# Altium PCB hv_controller.PcbDoc (part 1 of 3)
Units mil, origin at the board's own origin, x right, y up, seen from the top; angles counter-clockwise.
Board outline 9380 x 6000 mil, 2 copper layers (Top Layer, Bottom Layer); 271 components, 136 nets, 744 pads, 173 vias.
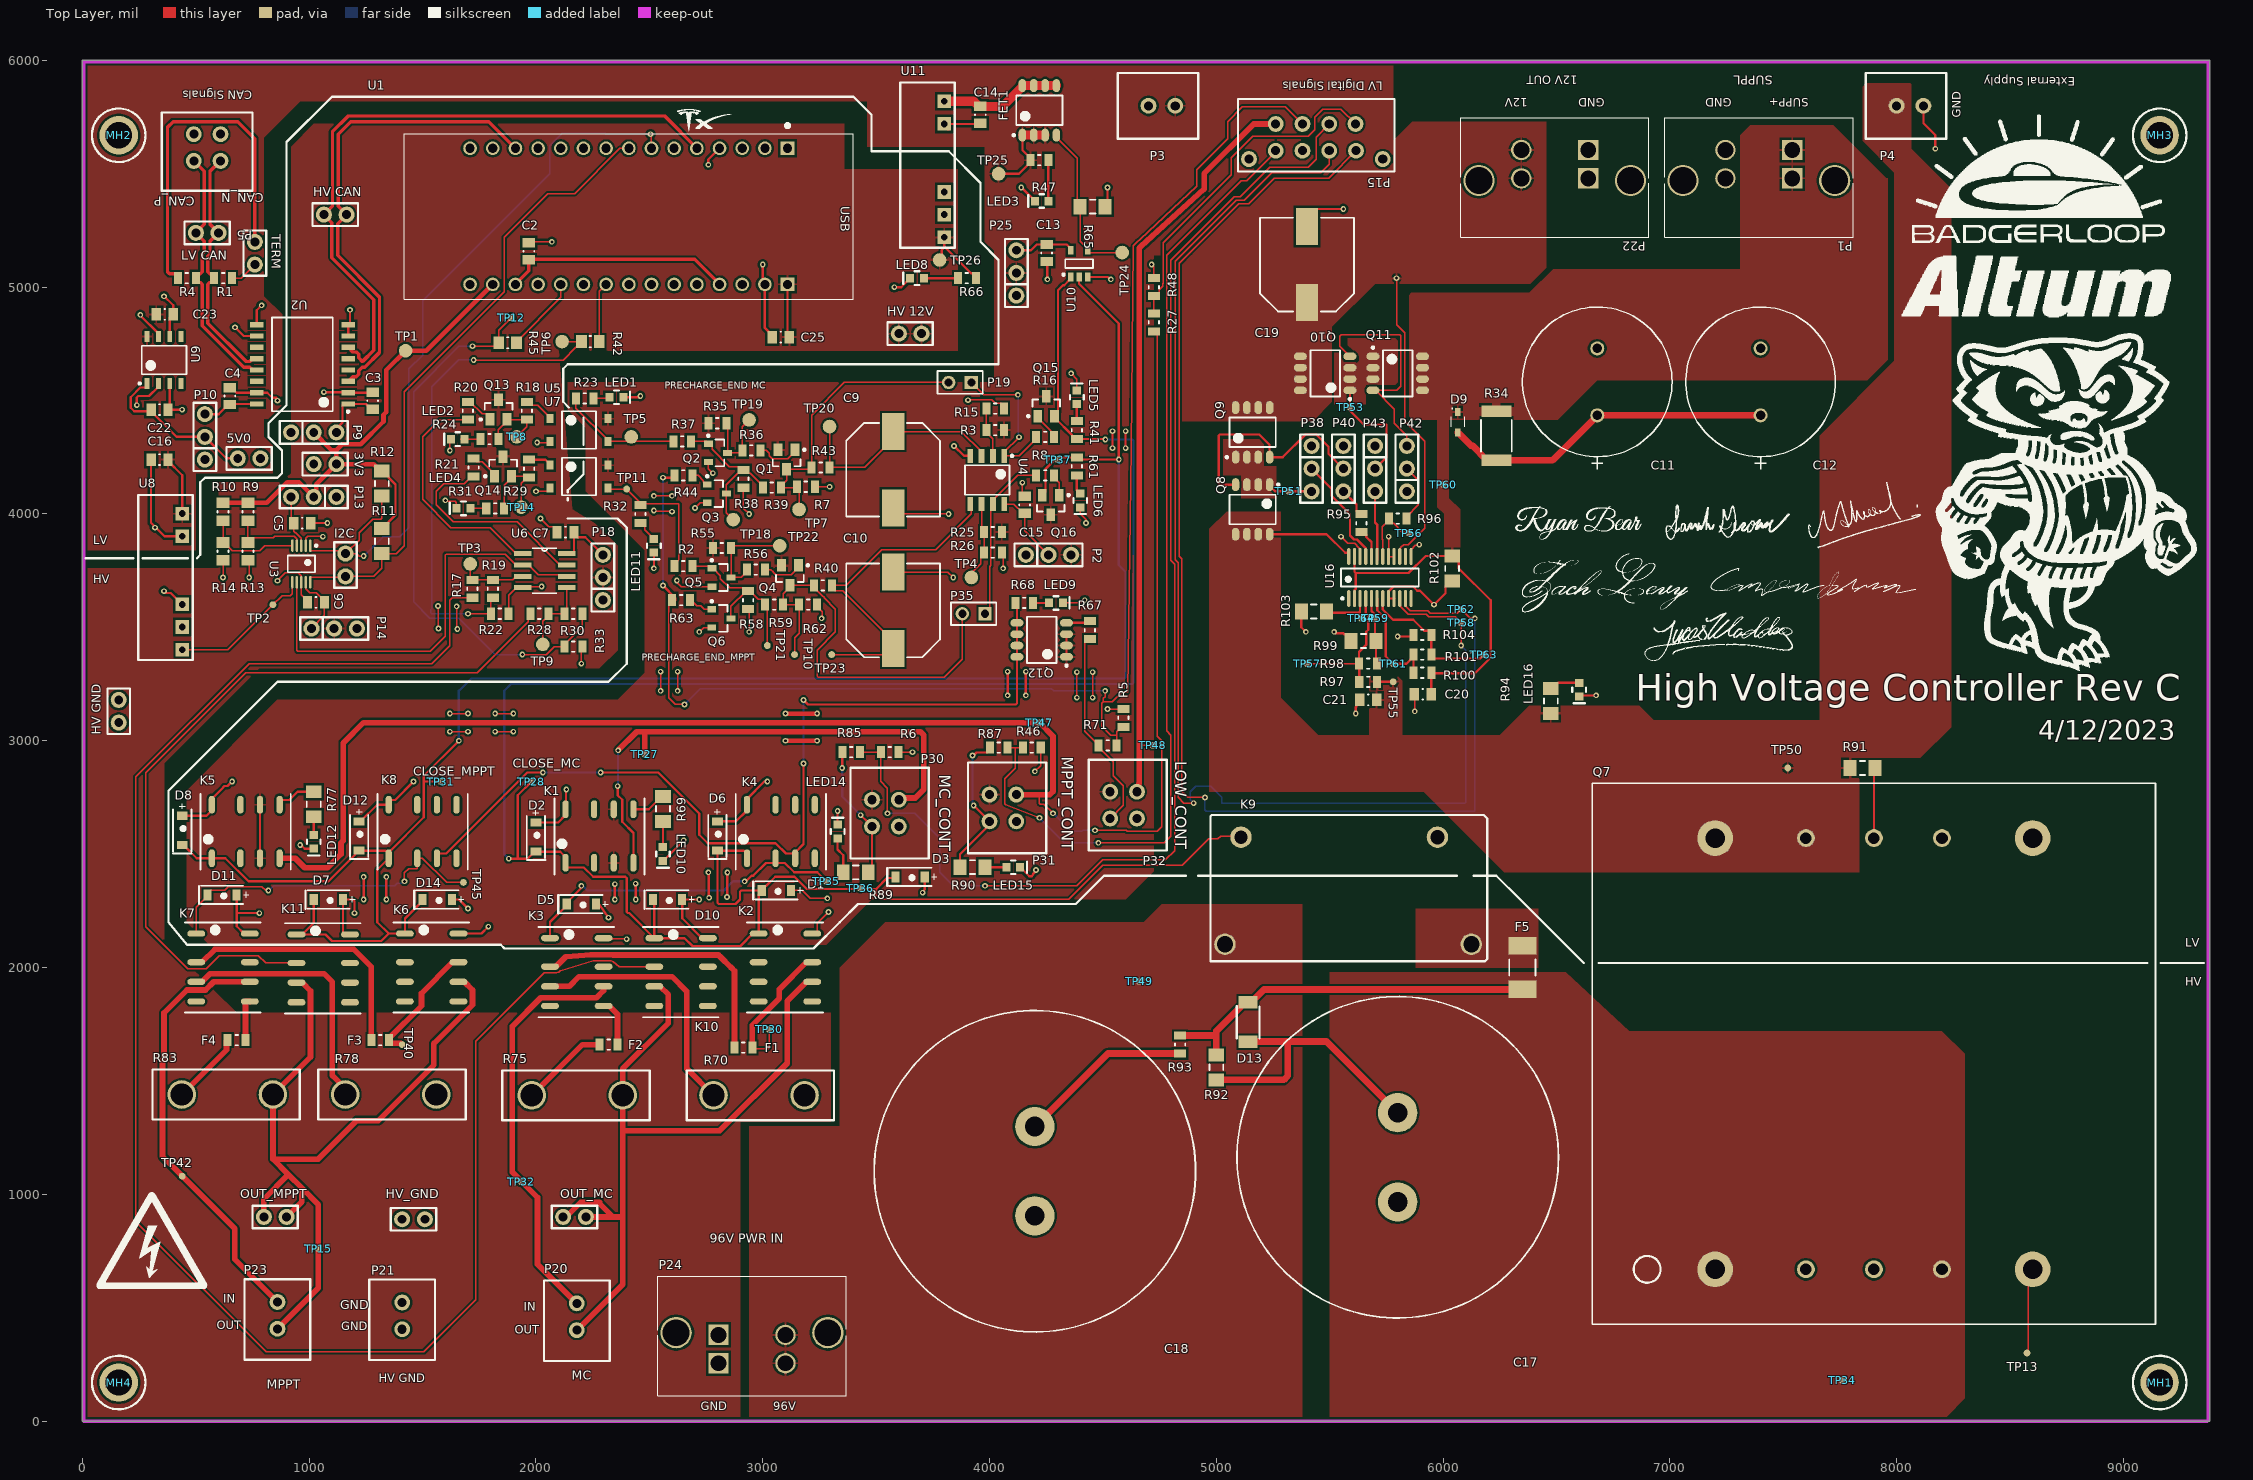
[diagram p0: Top Layer view]
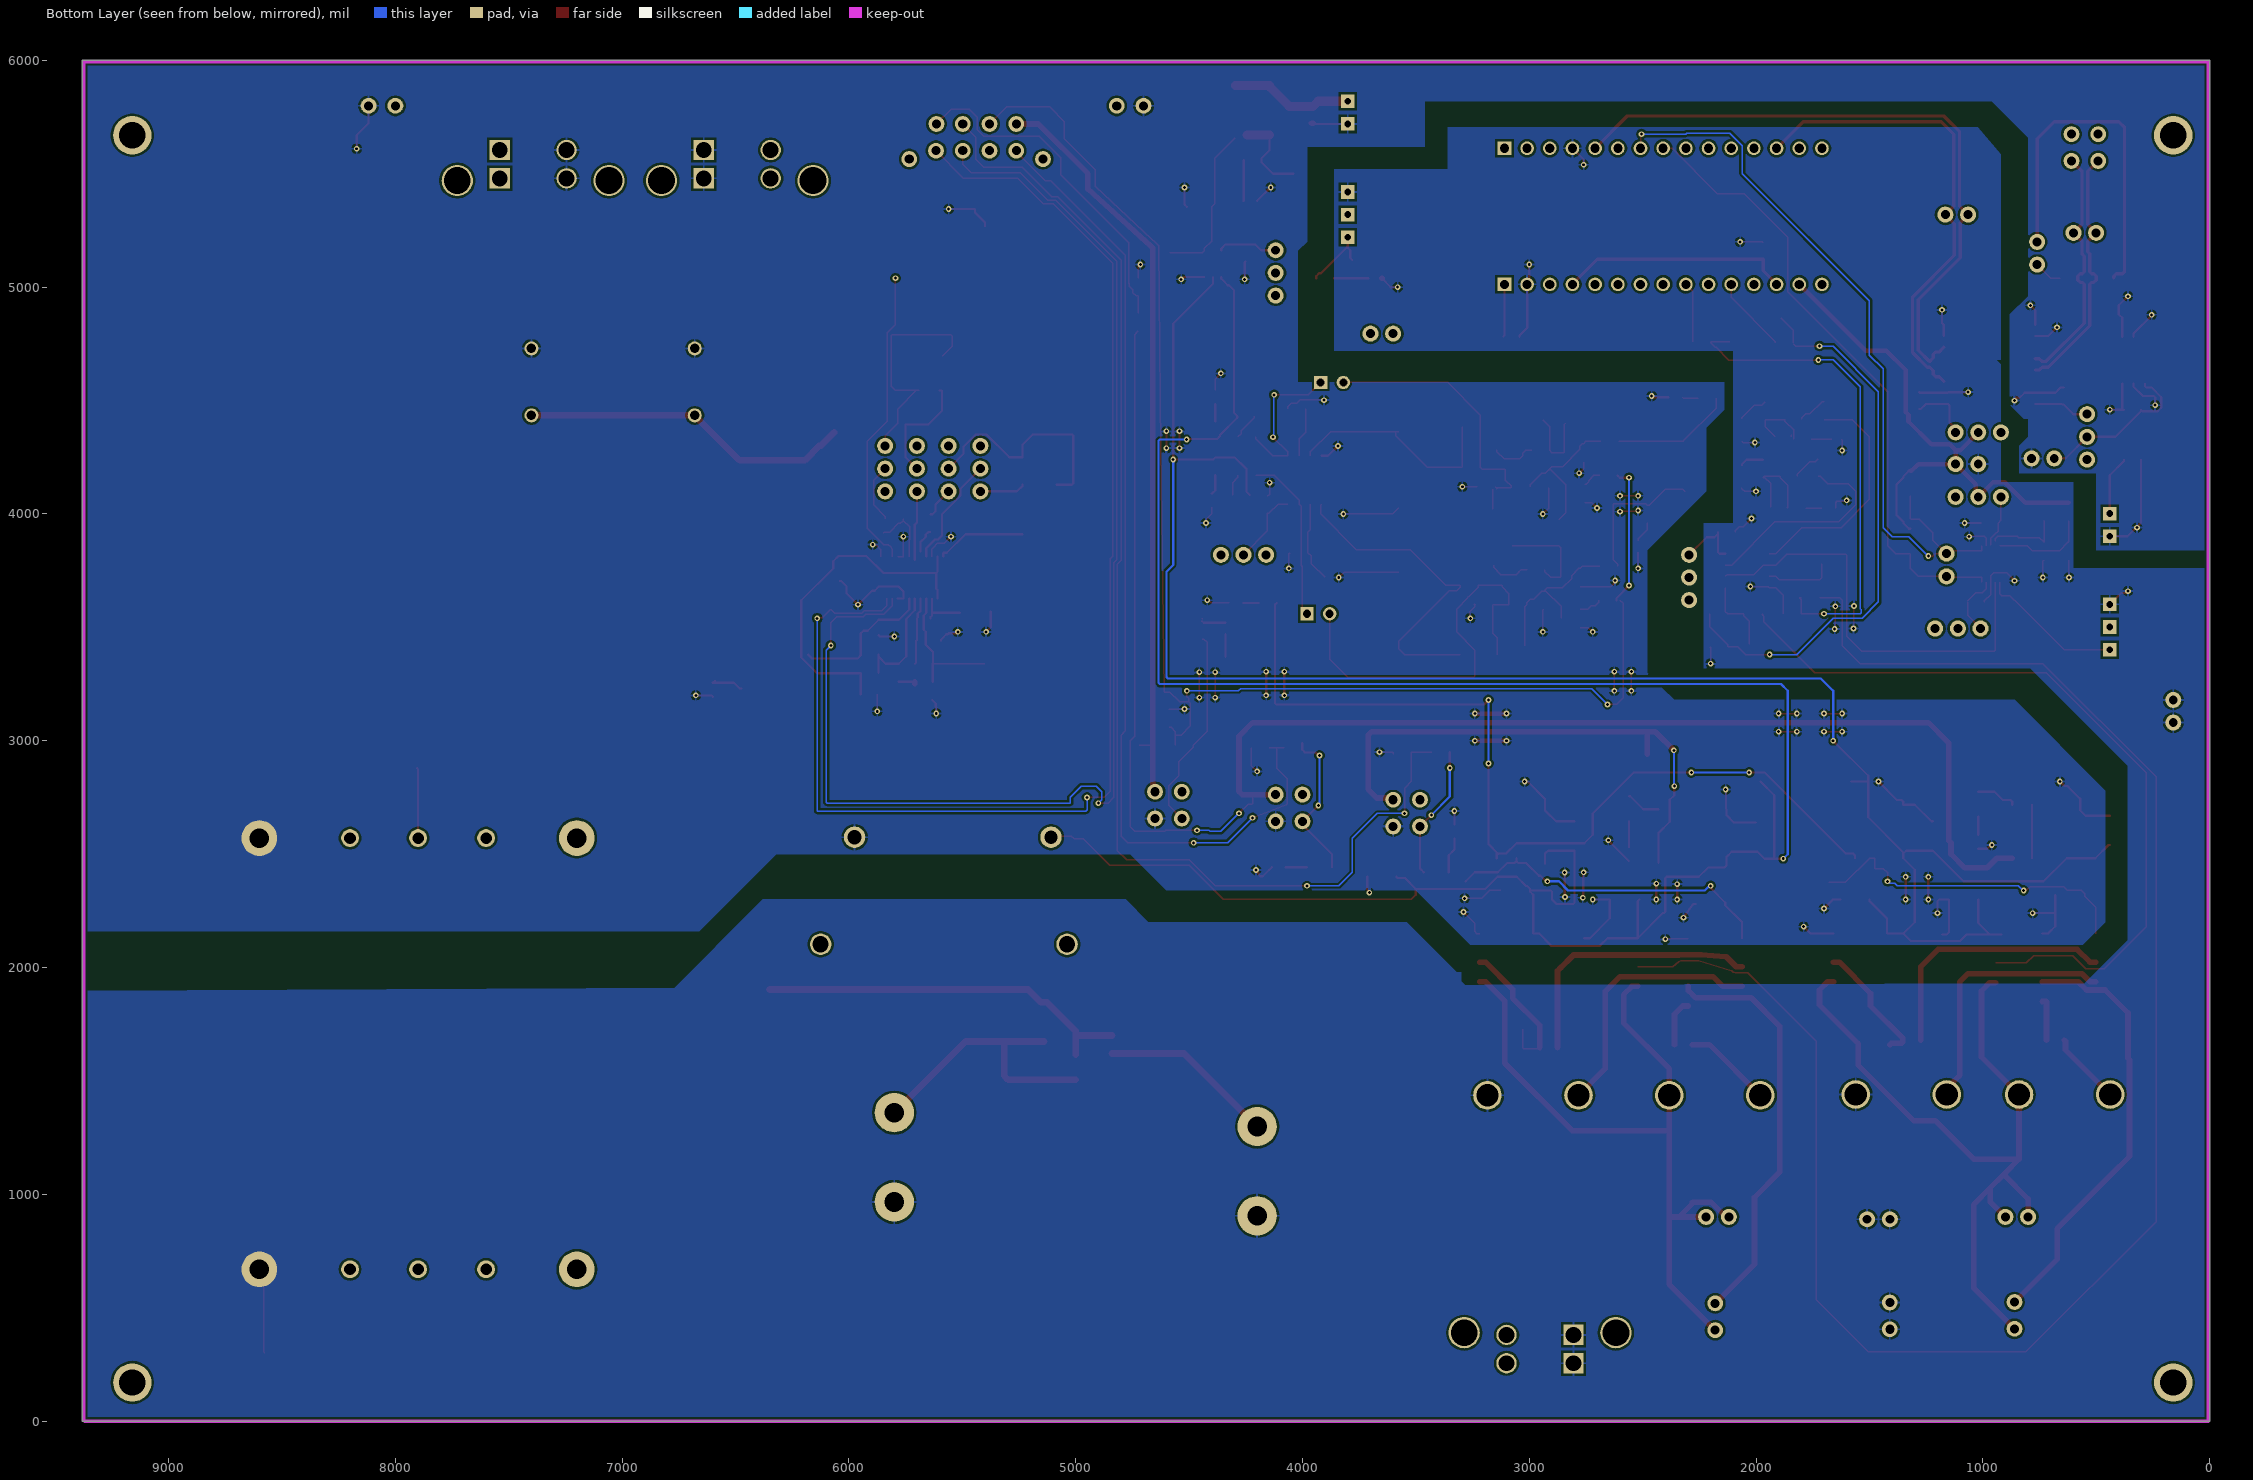
[diagram p1: Bottom Layer view, seen from below]
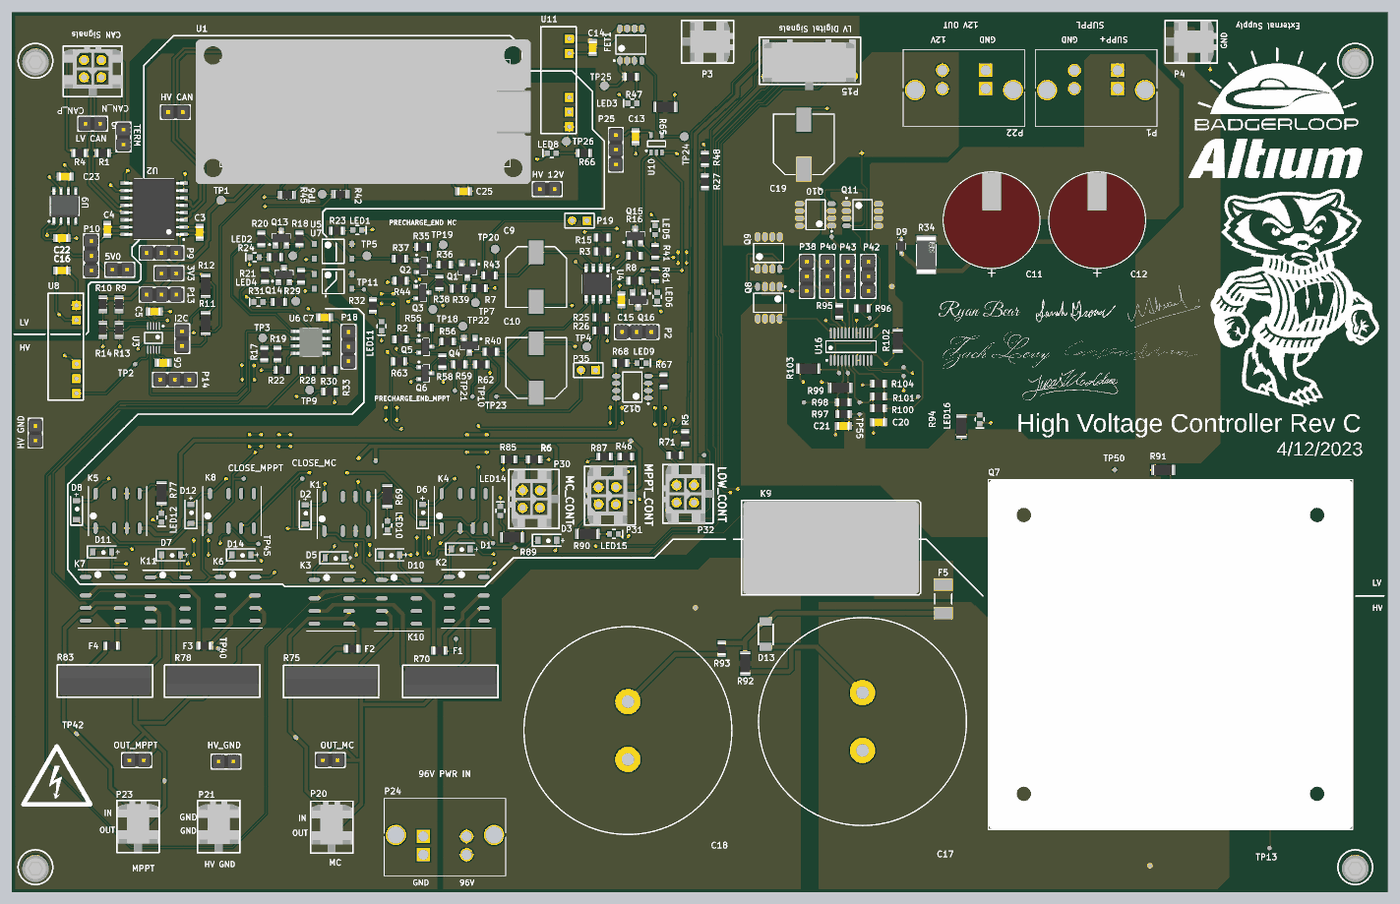
[diagram p4: 3D render of the assembled board from above, using the file's embedded part models]

## Layer stack, top to bottom
Top Solder: solder mask 0.4, Solder Resist, Dk 3.5
Top Layer: signal copper 1.4
Dielectric 1: dielectric 12.6, FR-4, Dk 4.8
Bottom Layer: signal copper 1.4
Bottom Solder: solder mask 0.4, Solder Resist, Dk 3.5

## Board outline
0,0 9380,0 9380,6000 0,6000

## Design rules (kind name [scope] priority, off if disabled: settings)
Clearance [All] p1: gap=10 ignorepadtopadclearanceinfootprint=FALSE except(0: Arc-Hole Track-Hole SMDPad-Hole THPad-Hole Via-Hole Fill-Hole Poly-Hole Region-Hole Text-Hole; 7.5: SMDPad-SMDPad)
DiffPairsRouting [All] p1: maxlimit=10 minlimit=10 mostfreqgap=10 toplayer_minwidth=15 toplayer_maxwidth=15 toplayer_prefwidth=15 bottomlayer_minwidth=15 bottomlayer_maxwidth=15 bottomlayer_prefwidth=15 maxuncoupledlength=500
Height [All] p1: minheight=0 maxheight=2000 prefheight=500
Height Height_1 [All] p2: minheight=0 maxheight=1000 prefheight=500
HoleSize [All] p1: absolutevalues=TRUE maxlimit=150 minlimit=1 maxpercent=80.000 minpercent=20.000
PolygonConnect [All] p1: connectstyle=Relief reliefconductorwidth=10 reliefentries=4 polygonreliefangle="90 Angle" airgapwidth=10
RoomDefinition main_power_switch [InComponentClass('main_power_switch')] p1: confinementstyle=ConfineIn formatcopy=TRUE lockcomponents=FALSE outline 3340,3100 3340,2232.35 4940,2232.35 4940,3100
RoomDefinition motor_controller_relays [InComponentClass('motor_controller_relays')] p2: confinementstyle=ConfineIn formatcopy=TRUE lockcomponents=FALSE outline 3381.56,-40 3381.56,3028.88 1776.56,3028.88 1776.56,-40
RoomDefinition digital [InComponentClass('digital') vs False] p3: confinementstyle=ConfineIn formatcopy=TRUE lockcomponents=FALSE outline 220,5980 220,3260 1394.69,3260 1394.69,4474.88 1517.58,4614.71 3550,4614.71 3550,5980
RoomDefinition powerpath_controller [InComponentClass('powerpath_controller')] p4: confinementstyle=ConfineIn formatcopy=TRUE lockcomponents=FALSE outline 8275.89,2740 8275.89,5980 4680,5980 4680,2740
RoomDefinition dc_dc_converter [InComponentClass('dc_dc_converter')] p5: confinementstyle=ConfineIn formatcopy=TRUE lockcomponents=FALSE outline 2400,-20 9240,-20 9240,2980 2400,2980
RoomDefinition "12V dc-dc converter" [InComponentClass('12V dc-dc converter')] p6: confinementstyle=ConfineIn formatcopy=TRUE lockcomponents=FALSE outline 4940,4700 3570.51,4700 3570.51,5973 4940,5973
RoomDefinition latch [InComponentClass('latch') vs False] p7: confinementstyle=ConfineIn formatcopy=TRUE lockcomponents=FALSE outline 4525.01,3240 4525.01,4660 2519.37,4660 2519.37,3240
RoomDefinition mppt_relays [InComponentClass('mppt_relays')] p8: confinementstyle=ConfineIn formatcopy=TRUE lockcomponents=FALSE outline 1765,20 1765,2855 125,2855 125,20
RoomDefinition connectors [InComponentClass('connectors')] p9: confinementstyle=ConfineIn formatcopy=TRUE lockcomponents=FALSE outline 5872.51,5380 5872.51,5960 4952.51,5960 4952.51,5380
RoomDefinition inverter [InComponentClass('inverter')] p10: confinementstyle=ConfineIn formatcopy=TRUE lockcomponents=FALSE outline 4507.93,3727.82 4057.93,3727.82 4057.93,3272.82 4507.93,3272.82
RoomDefinition voltage_sense [InComponentClass('voltage_sense')] p11: confinementstyle=ConfineIn formatcopy=TRUE lockcomponents=FALSE outline 1500,4490.76 1500,3295 2470,3295 2470,4600 1585.25,4600
RoutingVias [All] p1: holewidth=13 width=25 viastyle="Through Hole" minholewidth=13 minwidth=25 maxholewidth=28 maxwidth=50
SilkToSilkClearance [All] p1 off: silktosilkclearance=10
SilkToSolderMaskClearance [IsPad] p1 off: minsilkscreentomaskgap=10 clearancetoexposedcopper=TRUE
SolderMaskExpansion [All] p1: expansion=4 istentingtop=FALSE
Width [All] p1: maxlimit=100 minlimit=6 preferedwidth=6 bottomlayer_maxwidth=10 minimp=50.000000 maximp=50.000000 favimp=50.000000
25 further rules are at their usual default settings.

## Classes and differential pairs
component class powerpath_controller: C11 C12 C19 C20 C21 D9 P1 P4 P22 P38 P40 P42 P43 Q8 Q9 Q10 Q11 R34 R95 R96 R97 R98 R99 R100 R101 R102 R103 R104 TP51 TP53 TP55 TP56 TP57 TP58 TP59 TP60 TP61 TP62 TP63 TP64 U16
component class mppt_relays: D7 D8 D11 D12 D14 F3 F4 HV_GND K5 K6 K7 K8 K11 LED12 OUT_MPPT P21 P23 R77 R78 R83 TP31 TP37 TP40 TP42 TP45
component class motor_controller_relays: D1 D2 D5 D6 D10 F1 F2 K1 K2 K3 K4 K10 LED10 OUT_MC P20 R69 R70 R75 TP27 TP28 TP30 TP32 TP35 TP36
component class main_power_switch: LED14 LED15 P30 P31 P32 R5 R6 R46 R71 R85 R87 R89 R90 TP47 TP48
component class dc_dc_converter: C17 C18 D3 D13 F5 K9 LED16 P24 Q7 R91 R92 R93 R94 TP34 TP49 TP50
component class digital: 3V3 5V0 C2 C3 C4 C5 C6 C16 C22 C23 C25 "HV CAN" I2C "LV CAN" P5 P9 P10 P13 P14 R1 R4 R9 R10 R11 R12 R13 R14 R42 R45 TERM TP1 TP2 TP6 TP12 U1 U2 U3 U8 U9
component class inverter: LED9 Q12 R67 R68
component class "12V dc-dc converter": C13 C14 FET1 "HV 12V" "HV GND" LED3 LED8 P3 P25 R47 R65 R66 TP24 TP25 TP26 U10 U11
component class latch: C9 C10 C15 LED5 LED6 P2 P19 P35 Q1 Q2 Q3 Q4 Q5 Q6 Q15 Q16 R2 R3 R7 R8 R15 R16 R25 R26 R35 R36 R37 R38 R39 R40 R41 R43 R44 R55 R56 R58 R59 R61 R62 R63 TP4 TP7 TP10 TP18 TP19 TP20 TP21 TP22 TP23 U4
component class voltage_sense: C7 LED1 LED2 LED4 LED11 P18 Q13 Q14 R17 R18 R19 R20 R21 R22 R23 R24 R28 R29 R30 R31 R32 R33 TP3 TP5 TP8 TP9 TP11 TP13 TP14 TP15 U5 U6 U7
component class connectors: MH1 MH2 MH3 MH4 P15 R27 R48
differential pair COMM: +COMM_P -COMM_N
differential pair CAN: +CAN_P -CAN_N

## Components (designator, comment, footprint, x,y, rotation, side; value= is the part's Value field where it differs from the comment)
3V3 "Header 2" "Pin Header 1x2 TH Pitch 2.54mm" 1020,4220 r0 top
5V0 "Header 2" "Pin Header 1x2 TH Pitch 2.54mm" 785,4245 r180 top
C2 "GCM21BR71A106KE22L" SMD-0805C 1968.39,5159.02 r90 top value=10µF
C3 "GCM21BR71A106KE22L" SMD-0805C 1280,4500 r90 top value=10µF
C4 "GCM21BR71A106KE22L" SMD-0805C 650,4520 r90 top value=10µF
C5 "GCM21BR71A106KE22L" SMD-0805C 970,3960 r0 top value=10µF
C6 "GCM21BR71A106KE22L" SMD-0805C 1030,3610 r180 top value=10µF
C7 "GCM21BR71A106KE22L" SMD-0805C 2130,3920 r0 top value=10µF
C9 "GYB1E331MCW1GS" CAPAE110103X110N 3575,4195 r270 top
C10 "GYB1E331MCW1GS" CAPAE110103X110N 3575,3575 r90 top
C11 "35YXJ2200M16X25" 35YXJ2200M16X25-Footprint-1 6680,4580 r90 top
C12 "35YXJ2200M16X25" 35YXJ2200M16X25-Footprint-1 7400,4580 r90 top
C13 "GCM21BR71A106KE22L" SMD-0805C 4252,5151 r90 top value=10µF
C14 "GCM21BR71A106KE22L" SMD-0805C 3960,5760 r270 top value=10µF
C15 "GCM21BR71A106KE22L" SMD-0805C 4155,4040 r90 top value=10µF
C16 "GCM21BR71A106KE22L" SMD-0805C 340,4240 r180 top value=10µF
C17 "1000" ALA7DA241DE600 5800,1360 r270 top
C18 "ALA7DA241DE600" ALA7DA241DE600 4200,1298.74 r270 top
C19 "GYB1E331MCW1GS" CAPAE110103X110N 5400,5100 r90 top
C20 "0.10µF" SMD-0805C 5910,3205 r180 top
C21 "0.10µF" SMD-0805C 5670,3180 r180 top
C22 "0.1uF" SMD-0805C 340,4460 r0 top
C23 "0.33µF" SMD-0805C 362.6,4880 r0 top
C25 "GCM21BR71A106KE22L" SMD-0805C 3080,4780 r180 top value=10µF
D1 "MBR0520L-TP" "MBR0520LT1G - SOD123" 3060,2340 r180 top
D2 "MBR0520L-TP" "MBR0520LT1G - SOD123" 2000,2575.43 r270 top
D3 "MBR0520L-TP" "MBR0520LT1G - SOD123" 3650,2400 r180 top
D5 "MBR0520L-TP" "MBR0520LT1G - SOD123" 2200,2280 r180 top
D6 "MBR0520L-TP" "MBR0520LT1G - SOD123" 2800,2580 r270 top
D7 "MBR0520L-TP" "MBR0520LT1G - SOD123" 1084.57,2300 r180 top
D8 "MBR0520L-TP" "MBR0520LT1G - SOD123" 440,2604.57 r270 top
D9 "B140WS-7" SODFL250X110-2N 6065,4405 r90 top
D10 "MBR0520L-TP" "MBR0520LT1G - SOD123" 2580,2300 r180 top
D11 "MBR0520L-TP" "MBR0520LT1G - SOD123" 615.43,2320 r180 top
D12 "MBR0520L-TP" "MBR0520LT1G - SOD123" 1220,2580 r270 top
D13 "PU3DFSH" PU3DFSH 5140,1760 r90 top
D14 "MBR0520L-TP" "MBR0520LT1G - SOD123" 1564.57,2300 r180 top
F1 "MFU0805FF05000P100" SMD-0805-RES 2914.91,1647.08 r0 top
F2 "MFU0805FF05000P100" SMD-0805-RES 2320,1660 r180 top
F3 "MFU0805FF05000P100" SMD-0805-RES 1313.43,1680 r0 top
F4 "MFU0805FF05000P100" SMD-0805-RES 680,1680 r180 top
F5 "0679L9150-05" "0679L9150-05 - fuse smd" 6350,2000 r270 top
FET1 "RS3L110ATTB1" RS3L110AT 4220,5780 r90 top
"HV 12V" "Header 2" "Pin Header 1x2 TH Pitch 2.54mm" 3700,4795 r180 top
"HV CAN" "Header 2" "Pin Header 1x2 TH Pitch 2.54mm" 1065,5320 r0 top
"HV GND" "Header 2" "Pin Header 1x2 TH Pitch 2.54mm" 160,3180 r270 top